# Altium PCB AMS_A2_Sample.PcbDoc (part 1 of 2) (continued)
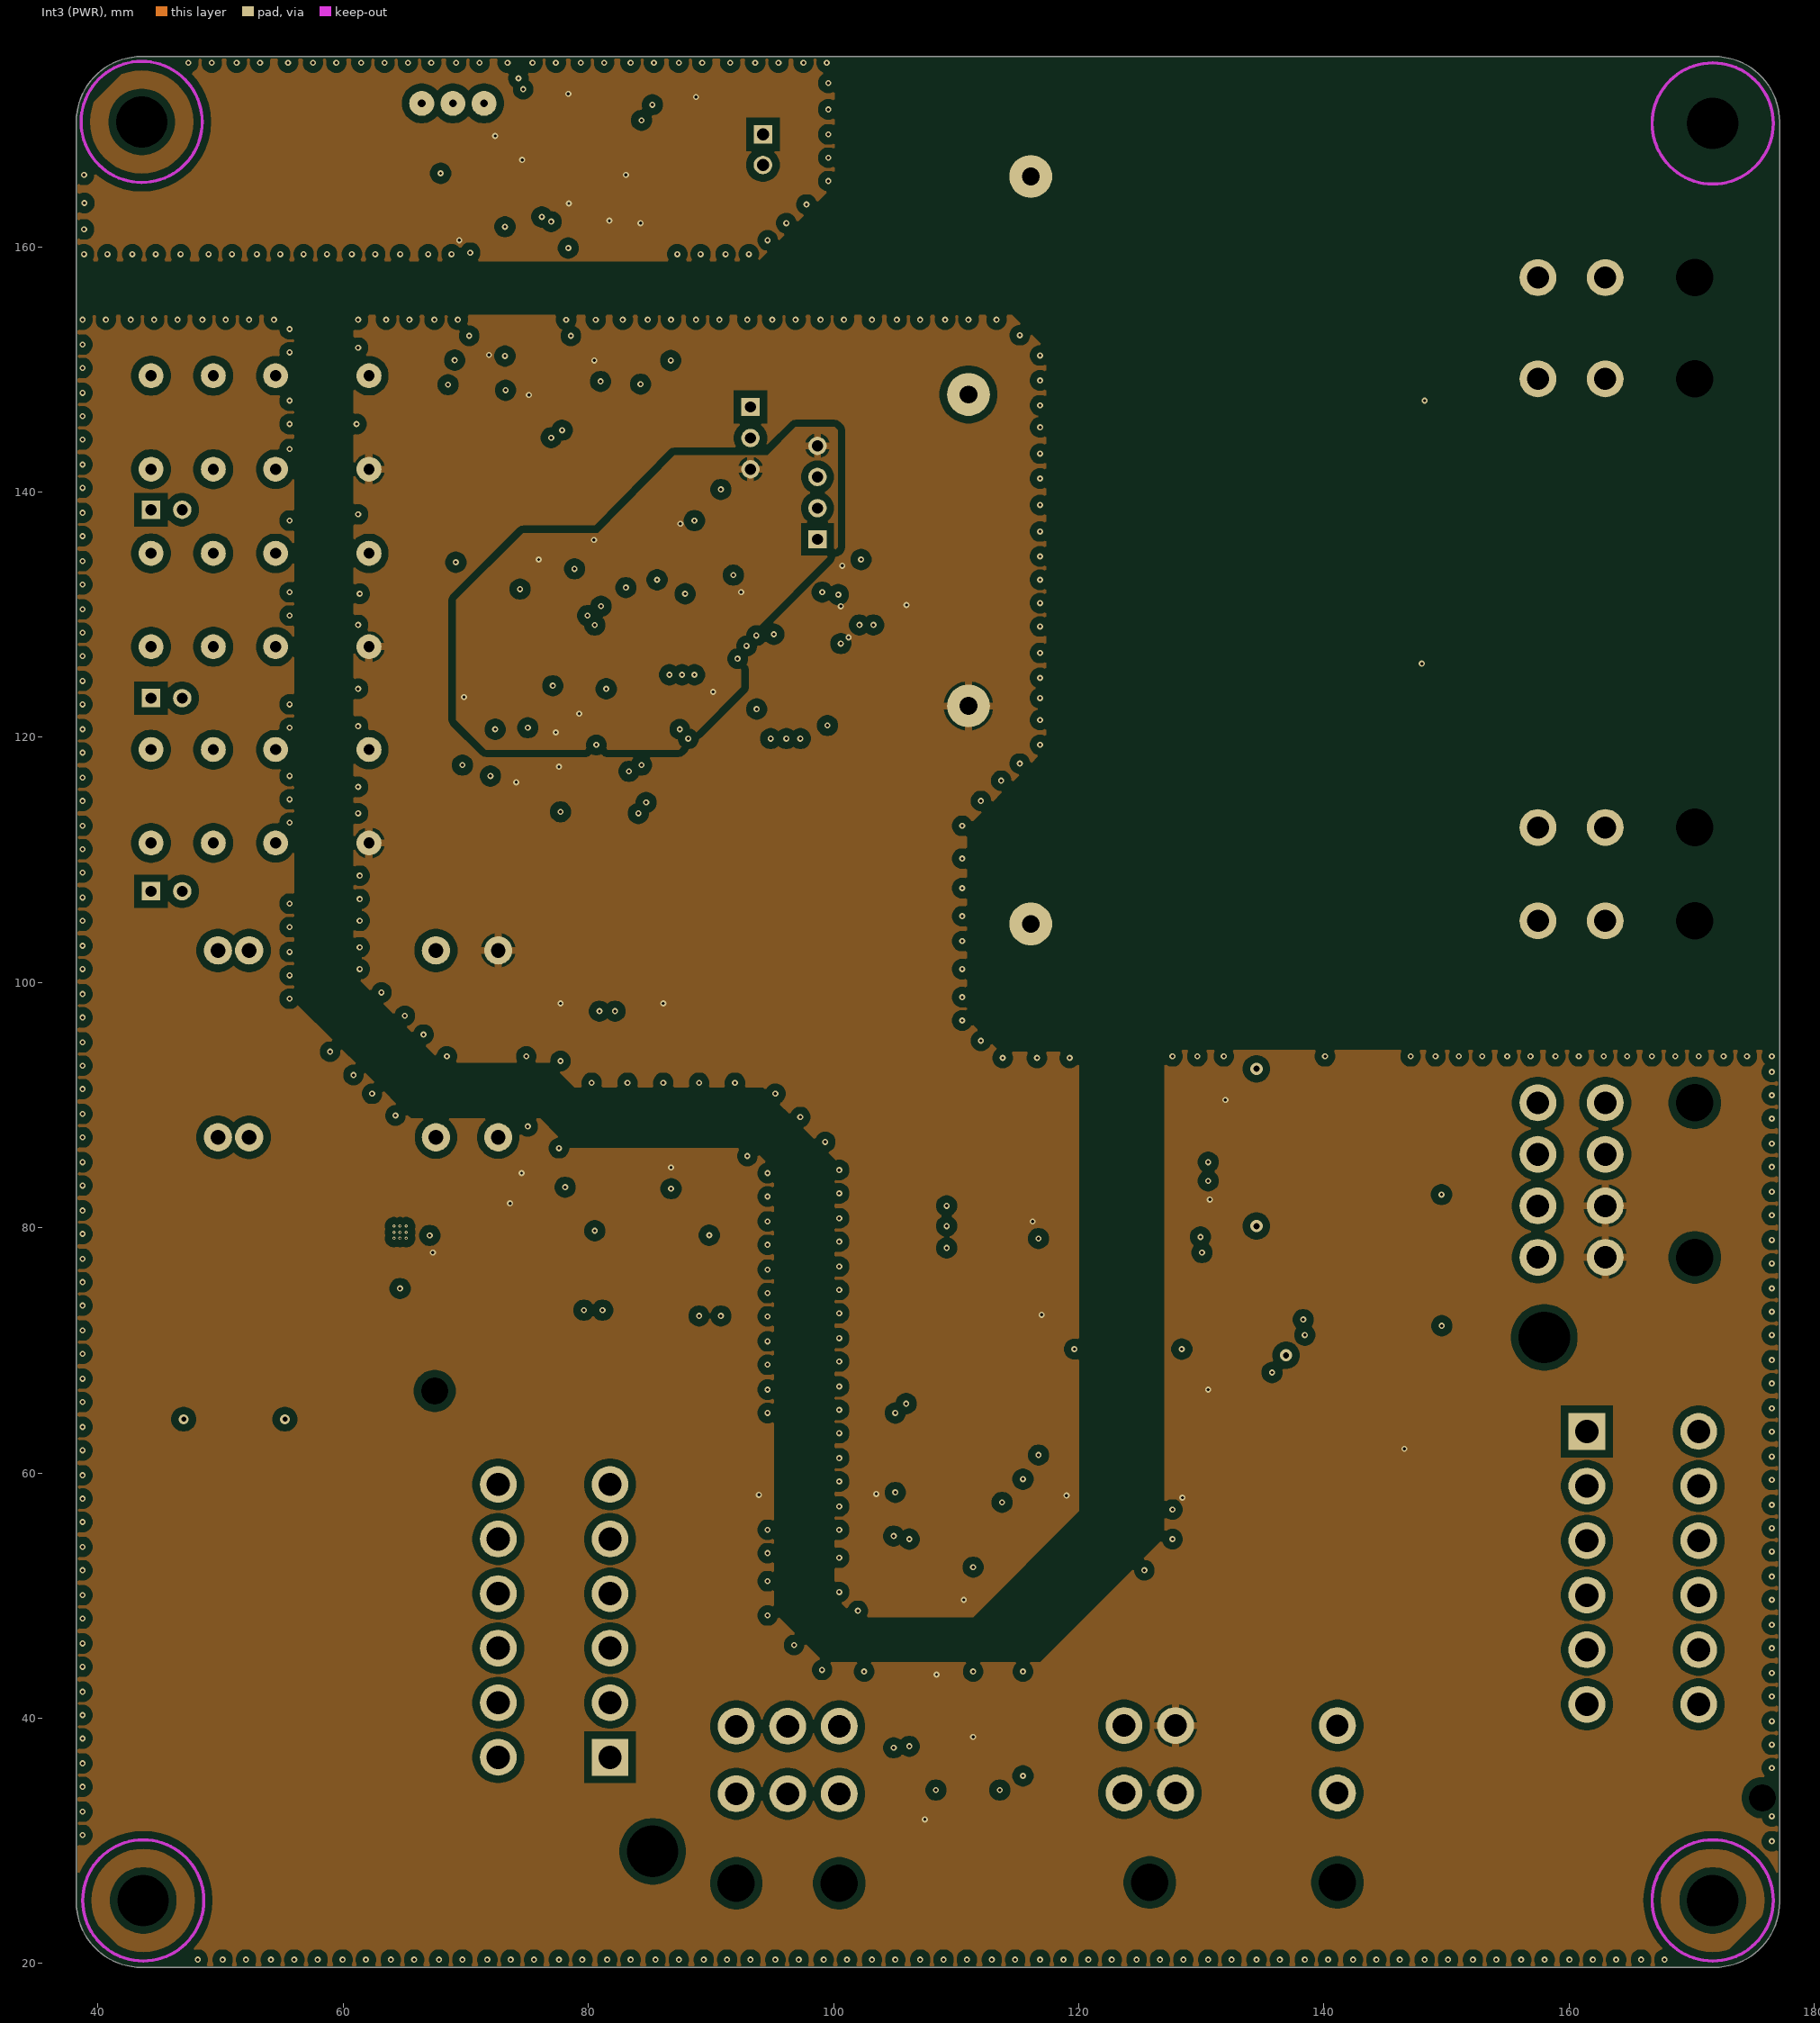
[diagram p4: Int3 (PWR)]
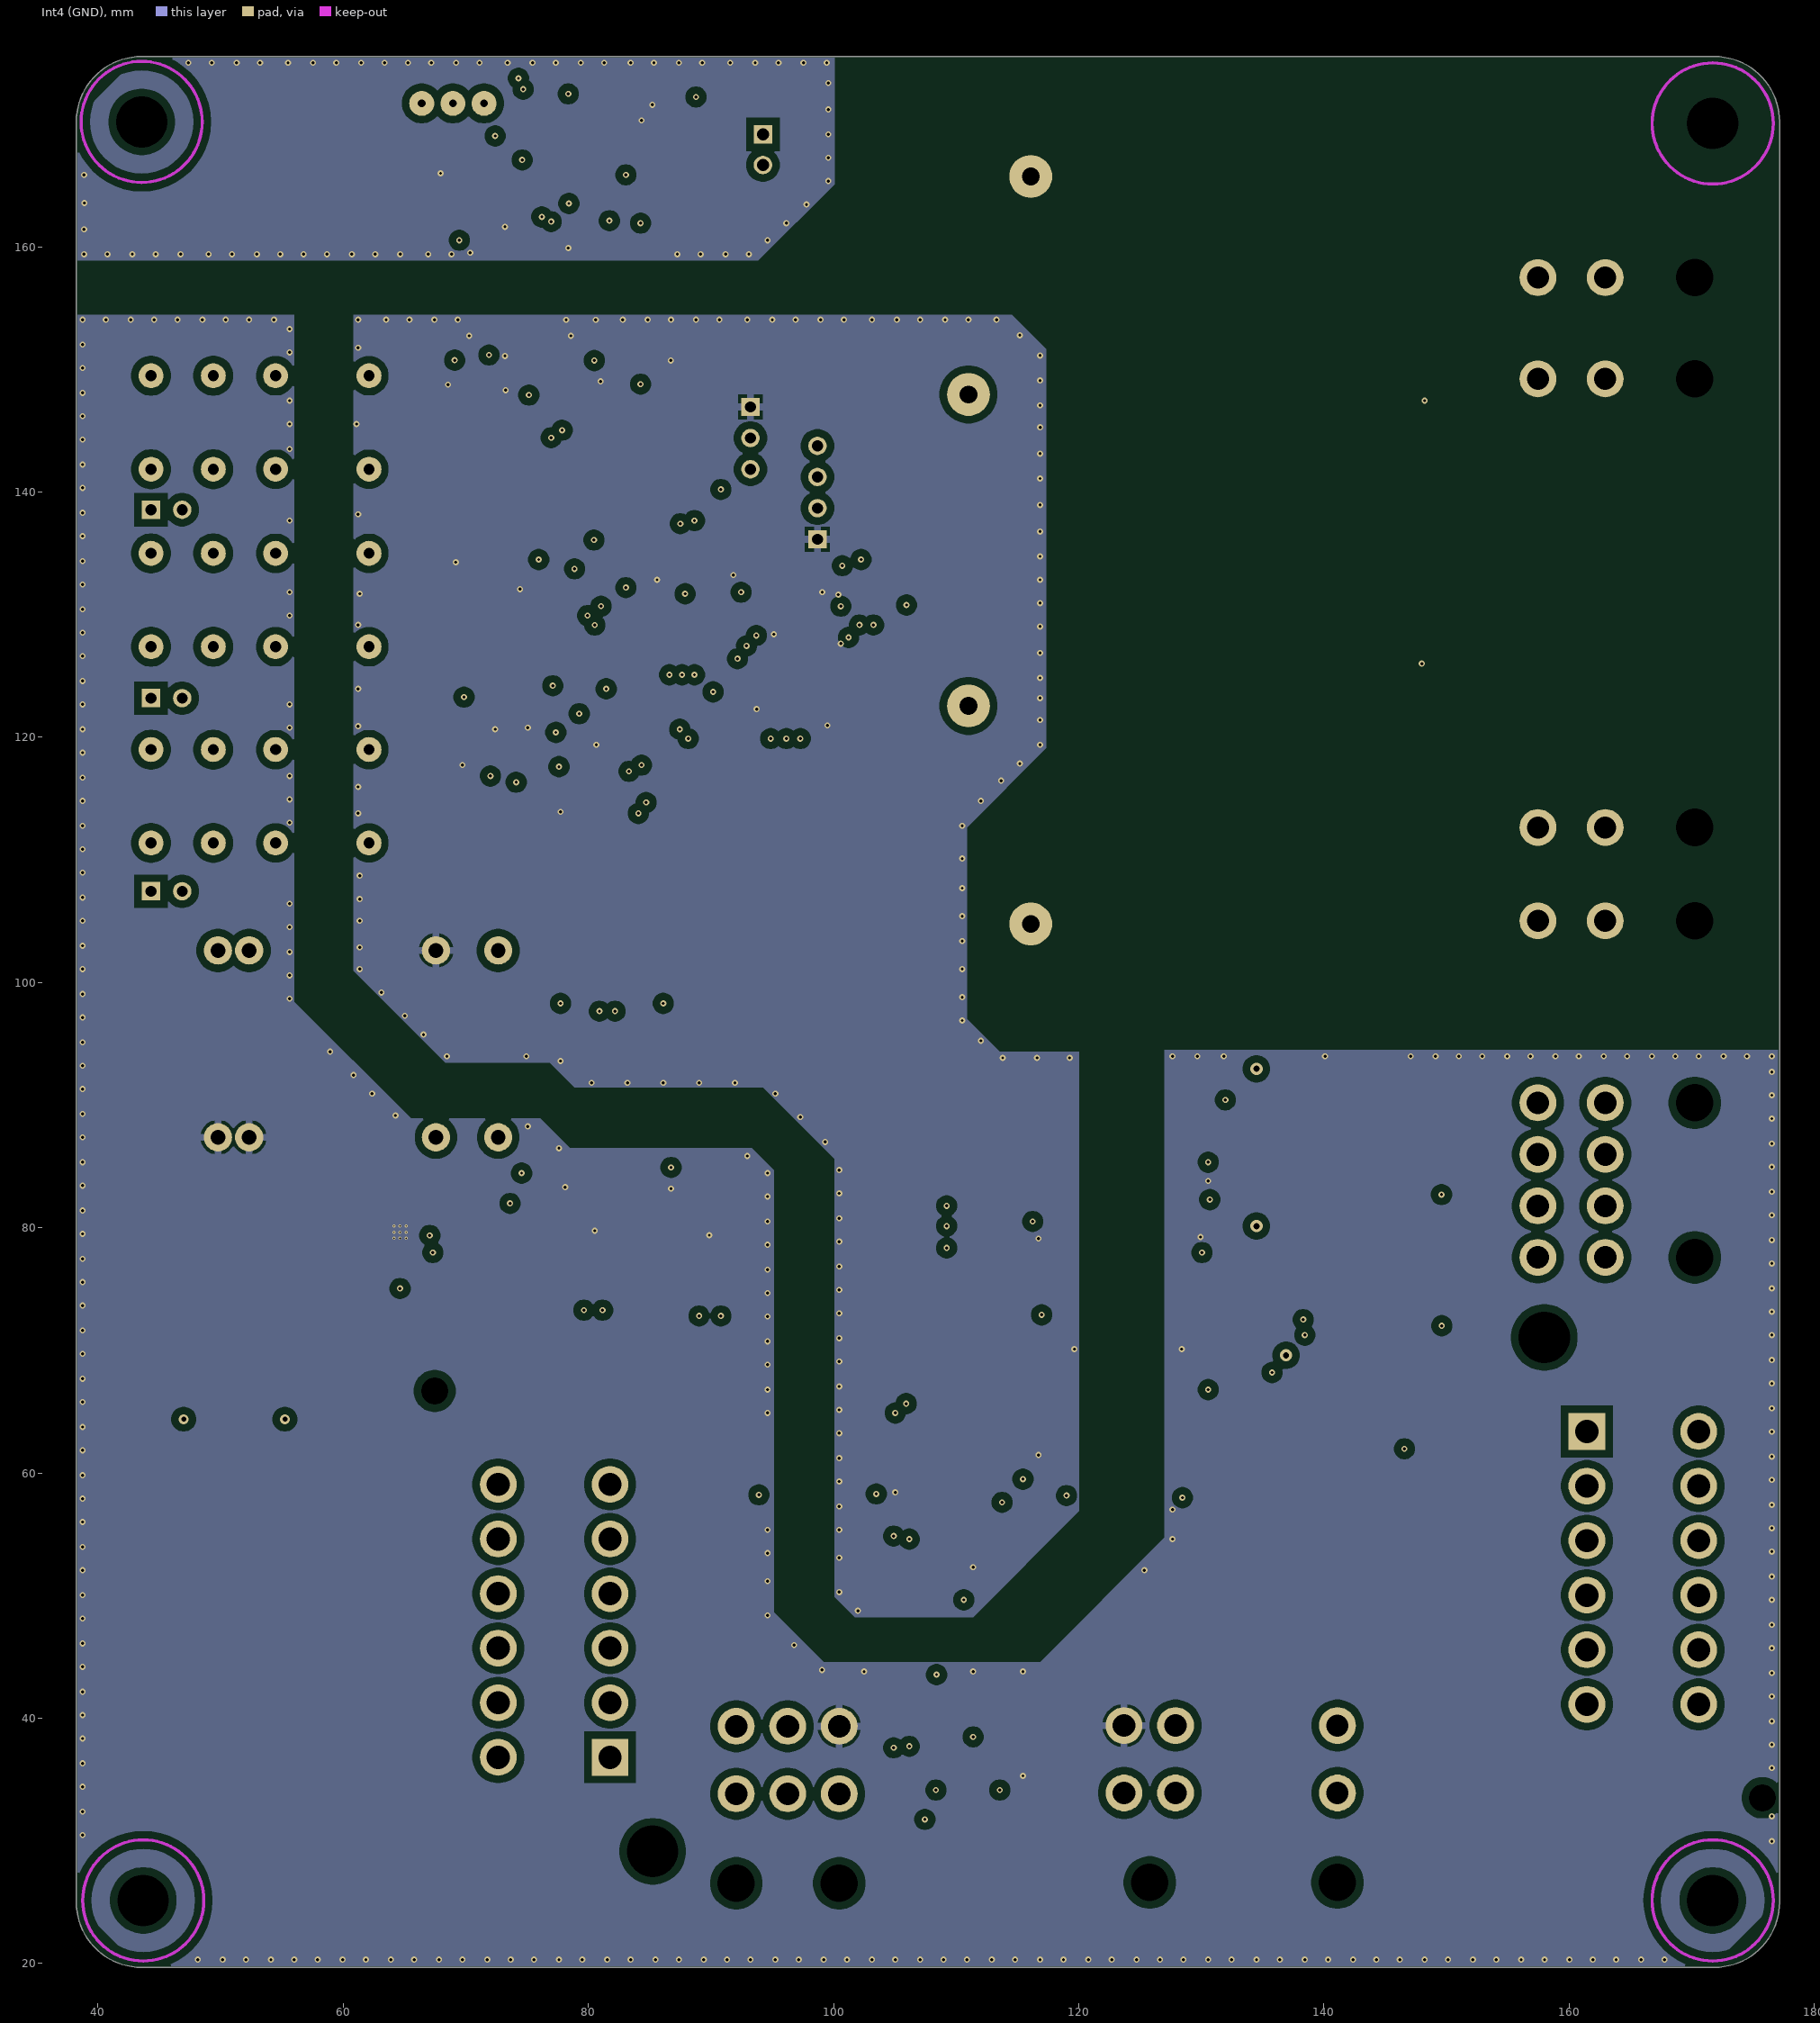
[diagram p5: Int4 (GND)]
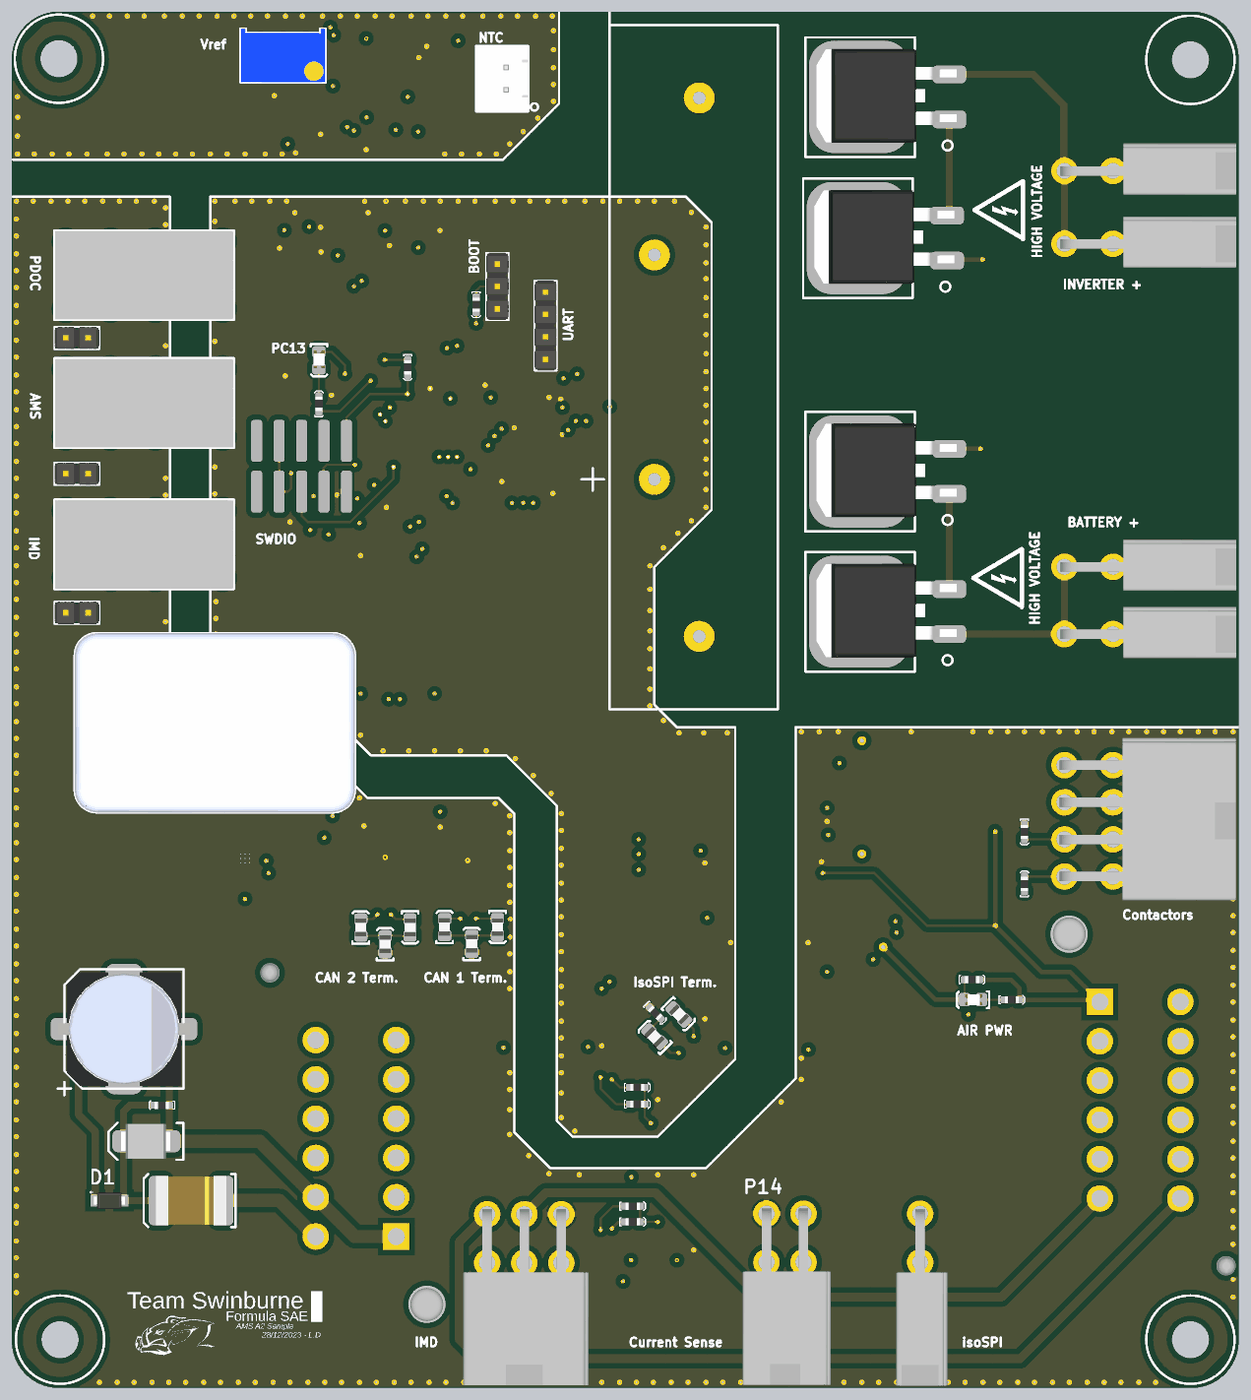
[diagram p7: 3D render of the assembled board from above, using the file's embedded part models]
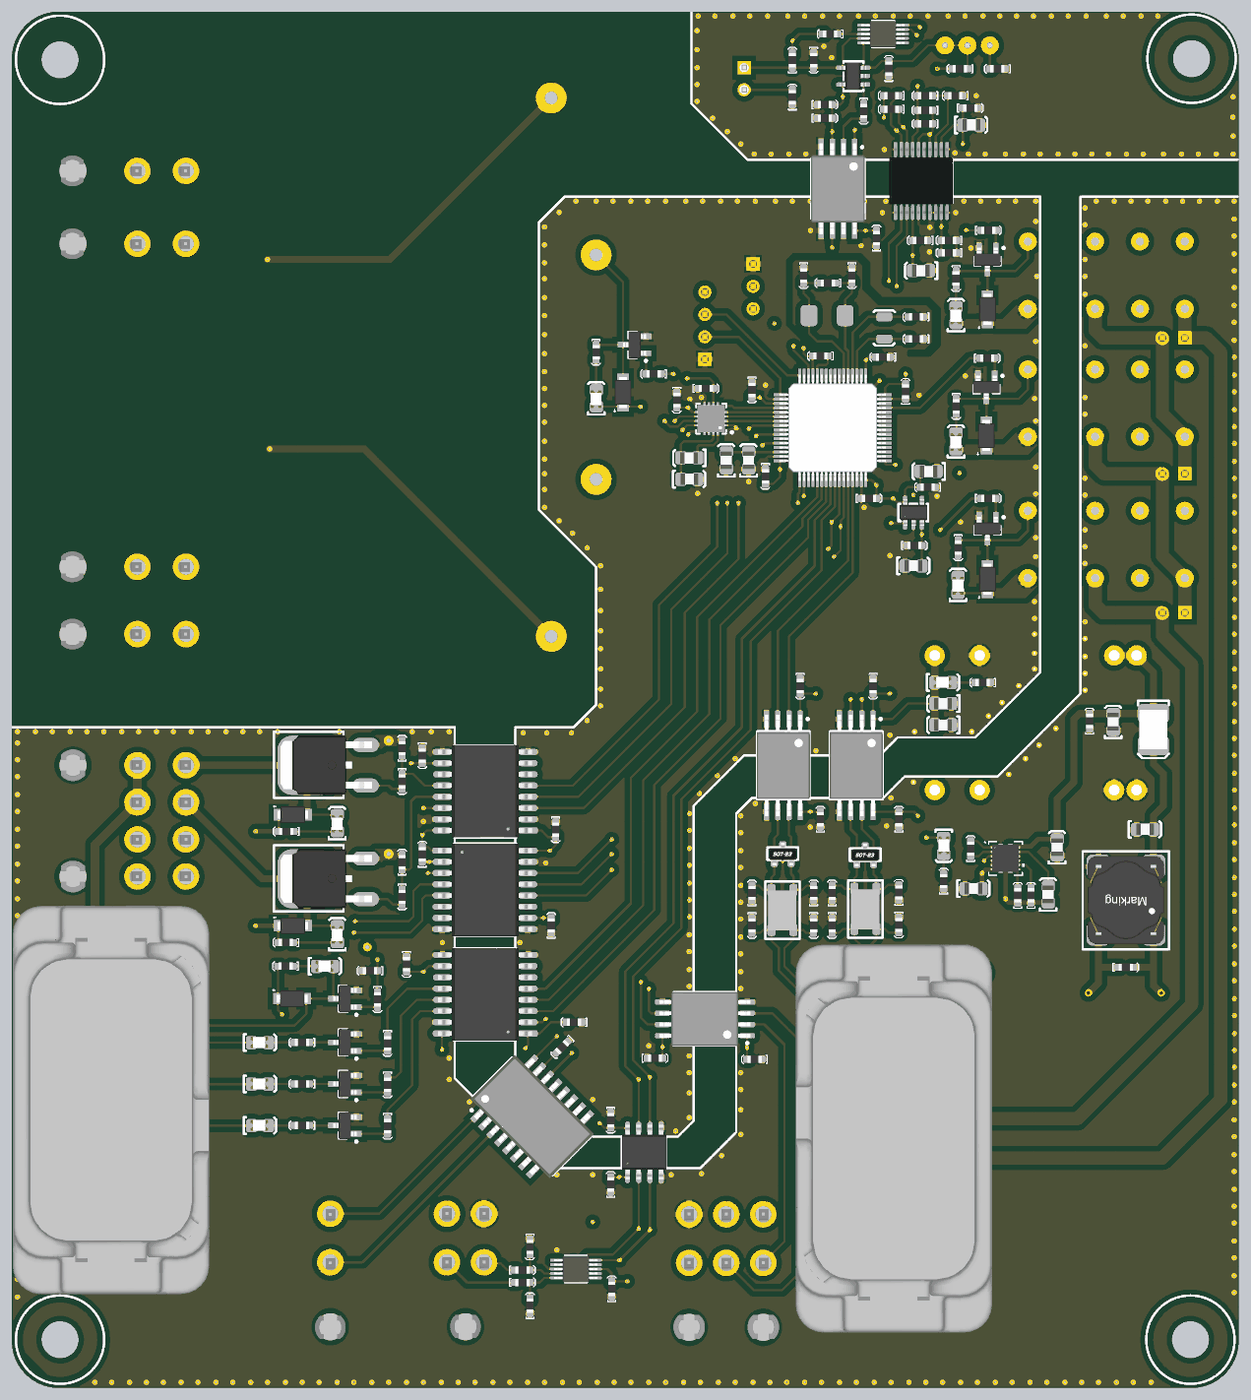
[diagram p8: 3D render of the assembled board from below, using the file's embedded part models]

## Layer stack, top to bottom
Top Solder: solder mask 0.0254, SM-001, Dk 4
Top Layer (GND): signal copper 0.035
Dielectric 1: prepreg 0.0711, PP-006, Dk 4.1
Dielectric 2: prepreg 0.0711, PP-006, Dk 4.1
Int1 (Signal): signal copper 0.035
Dielectric 3: core 0.4572, Core-035, Dk 4.7
Int2 (GND): signal copper 0.035
Dielectric 4: prepreg 0.0711, PP-006, Dk 4.1
Dielectric 5: prepreg 0.0711, PP-006, Dk 4.1
Int3 (PWR): signal copper 0.035
Dielectric 6: core 0.4572, Core-035, Dk 4.7
Int4 (GND): signal copper 0.035
Dielectric 7: prepreg 0.0711, PP-006, Dk 4.1
Dielectric 8: prepreg 0.0711, PP-006, Dk 4.1
Bottom Layer (Signal): signal copper 0.035
Bottom Solder: solder mask 0.0254, SM-001, Dk 4

## Board outline
38.227,25.019 38.227,51.435 38.227,164.084 38.227,170.18 cw(c43.561,170.18) 43.561,175.514 49.657,175.514 112.903,175.514 171.831,175.514 cw(c171.831,170.18) 177.165,170.18 177.165,25.019 cw(c171.831,25.019) 171.831,19.685 43.561,19.685 cw(c43.561,25.019)

## Design rules (kind name [scope] priority, off if disabled: settings)
Clearance [All] p1: gap=0.254 ignorepadtopadclearanceinfootprint=FALSE except(0: Arc-Hole Track-Hole SMDPad-Hole THPad-Hole Via-Hole Fill-Hole Poly-Hole Region-Hole Text-Hole; 0.1: THPad-THPad; 0.15: Arc-SMDPad Track-SMDPad SMDPad-SMDPad; 0.2: Arc-THPad Track-THPad SMDPad-THPad THPad-Via; 0.203: Arc-Arc Arc-Track Arc-Region Track-Track Track-Region SMDPad-Region THPad-Region Via-Region Fill-Region Poly-Region Region-Region; 0.6: Arc-Poly Track-Poly SMDPad-Poly THPad-Poly Via-Poly Fill-Poly Poly-Poly)
Height [All] p1: minheight=0 maxheight=50 prefheight=12.7
HoleSize [All] p1: absolutevalues=TRUE maxlimit=10 minlimit=0.025 maxpercent=80.000 minpercent=20.000
MinimumSolderMaskSliver [All] p1: minsoldermaskwidth=0
PlaneClearance [All] p1: clearance=0.4
PlaneConnect [All] p1: pad.planeconnectstyle=Relief pad.reliefexpansion=0.508 pad.reliefentries=4 pad.reliefconductorwidth=0.8 pad.reliefairgap=0.254 via.planeconnectstyle=Direct via.reliefexpansion=0.508 via.reliefentries=4 via.reliefconductorwidth=0.8 via.reliefairgap=0.254
PolygonConnect [All] p1: thpad.connectstyle=Relief thpad.reliefconductorwidth=0.6 thpad.reliefentries=4 thpad.polygonreliefangle="90 Angle" thpad.airgapwidth=0.254 smdpad.connectstyle=Relief smdpad.reliefconductorwidth=0.6 smdpad.reliefentries=4 smdpad.polygonreliefangle="90 Angle" smdpad.airgapwidth=0.254 via.connectstyle=Direct via.reliefconductorwidth=0.6 via.reliefentries=4 via.polygonreliefangle="90 Angle" via.airgapwidth=0.254
RoutingVias [All] p1: holewidth=0.25 width=0.5 viastyle="Through Hole" minholewidth=0.203 minwidth=0.254 maxholewidth=0.711 maxwidth=1.27
SilkToSilkClearance [All] p1: silktosilkclearance=0
SilkToSolderMaskClearance [IsPad] p1: minsilkscreentomaskgap=0 clearancetoexposedcopper=TRUE
SolderMaskExpansion [All] p1: expansion=0.051 istentingtop=FALSE
Width [All] p1: maxlimit=3 minlimit=0.127 preferedwidth=0.254 minimp=50.000000 maximp=50.000000 favimp=50.000000
23 further rules are at their usual default settings.

## Classes and differential pairs
component class U_Microcontroller: C57 C58 C59 C60 C61 C62 C63 C64 C65 C66 C67 C68 D23 P11 P12 P13 R59 R60 R61 R62 U25 X1 X2
component class "Current Sensor": C52 C53 C54 C55 C56 R53 R54 R55 R56 R57 R58 U23 U24
component class "Charger Interface": C73 C74 D20 D21 D22 Q8 Q9 Q10 R47 R48 R49 R50 R51 R52 U22
component class "Top Level": P1 P2 P3 P4 P5 P6 P7 P8 P9 P14
component class Precharge: C69 C70 C71 C72 D11 D12 D13 D14 D15 D16 D17 D18 D19 Q4 Q5 Q6 Q7 R28 R29 R30 R31 R32 R33 R34 R35 R36 R37 R38 R39 R40 R41 R42 R43 R44 R45 R46 U19 U20 U21
component class Power: C1 C2 C3 C4 C5 C6 C7 C8 C9 C10 C11 C12 C13 C14 C15 C16 C17 D1 D2 D3 D4 F1 L1 R1 R2 R3 U2 U3 U4 U5
component class PDOC: C38 C39 C40 C41 C42 C43 C44 C45 C46 C47 C48 C49 C50 C51 P10 R18 R19 R20 R21 R22 R23 R24 R25 R26 R27 U15 U16 U17 U18
component class isoSPI: C32 C33 C34 C35 R8 R9 R10 R11 U12 U13
component class "Green Loop": C36 C37 D5 D6 D7 D8 D9 D10 "Header 1" "Header 1x2" "Header 2" K1 K2 K3 Q1 Q2 Q3 R12 R13 R14 R15 R16 R17 U14
component class CANBUS: C18 C19 C20 C21 C22 C23 C24 C25 C26 C27 C28 C29 C30 C31 R4 R5 R6 R7 U6 U7 U8 U9 U10 U11

## Components (designator, comment, footprint, x,y, rotation, side; value= is the part's Value field where it differs from the comment)
C1 "22uF" 0805 71.706,94.742 r0 bottom
C2 "1µF" 0805 71.706,97.155 r0 bottom
C3 "10uF" 0805 48.817,82.931 r180 bottom
C4 "10uF" 0805 52.451,95.096 r90 bottom
C5 "100nF" 0603 55.118,94.334 r90 bottom
C6 "100nF" 0603 56.056,51.689 r180 top
C7 "100nF" 0603 51.865,67.31 r180 bottom
C8 "220uF" "Vishay Radial 1213" 50.927,60.325 r180 top
C9 "4.7uF" 0805 58.801,80.907 r90 bottom value=2.2uF
C10 "22uF" 0805 68.248,76.234 r180 bottom
C11 "100nF" 0603 68.58,79.891 r90 bottom
C12 "1µF" 0805 75.045,112.776 r180 bottom
C13 "100nF" 0603 75.807,115.062 r180 bottom
C14 "1µF" 0805 73.357,123.444 r0 bottom
C15 "100nF" 0603 72.595,121.666 r0 bottom
C16 "2.2uF" 0805 59.817,75.573 r90 bottom
C17 "6.8nF" 0603 61.756,74.611 r90 bottom
C18 "100nF" 0603 85.598,83.22 r90 bottom
C19 "100nF" 0603 87.884,99.998 r270 bottom
C20 "22uF" 0805 90.297,69.977 r90 top
C21 "100pF" 0603 86.36,72.898 r270 bottom
C22 "100pF" 0603 93.345,72.898 r270 bottom
C23 "100pF" 0603 93.345,74.871 r90 bottom
C24 "100pF" 0603 86.36,74.871 r90 bottom
C25 "100nF" 0603 76.708,83.22 r90 bottom
C26 "100nF" 0603 79.629,99.998 r270 bottom
C27 "22uF" 0805 80.492,69.928 r90 top
C28 "100pF" 0603 76.708,72.947 r270 bottom
C29 "100pF" 0603 84.269,72.898 r270 bottom
C30 "100pF" 0603 84.269,74.871 r90 bottom
C31 "100pF" 0603 76.708,74.93 r90 bottom
C32 "100nF" 0603 99.42,132.842 r180 bottom
C33 "100nF" 0603 101.854,132.383 r270 bottom
C34 "100nF" 0603 110.49,62.738 r315 top
C35 "10nF" 0603 114.241,58.86 r315 bottom
C36 "100nF" 0603 92.202,56.896 r0 bottom
C37 "100nF" 0603 105.179,57.023 r180 bottom
C38 "100nF" 0603 79.248,149.023 r90 bottom
C39 "100nF" 0603 86.36,170.864 r270 bottom
C40 "100nF" 0603 85.952,163.449 r180 bottom
C41 "100nF" 0603 85.952,164.973 r180 bottom
C42 "100nF" 0603 77.851,168.209 r90 bottom
C43 "100nF" 0603 83.644,172.974 r0 bottom
C44 "100nF" 0603 69.469,164.592 r180 bottom
C45 "10uF" 0805 68.507,162.687 r180 bottom
C46 "10nF" 0603 72.898,162.814 r0 bottom
C47 "100nF" 0603 72.898,164.338 r0 bottom
C48 "100nF" 0603 73.443,149.606 r0 bottom
C49 "10uF" 0805 74.205,146.177 r0 bottom
C50 "100nF" 0603 70.182,148.209 r0 bottom
C51 "10nF" 0603 70.182,149.606 r0 bottom
C52 "100nF" 0603 118.491,36.498 r270 bottom
C53 "100nF" 0603 118.491,28.145 r90 bottom
C54 "100nF" 0603 109.347,50.849 r270 bottom
C55 "100nF" 0603 109.22,30.05 r90 bottom
C56 "100nF" 0603 109.347,41.861 r90 bottom
C57 "100nF" 0603 80.948,120.396 r180 bottom
C58 "100nF" 0603 75.946,131.65 r90 bottom
C59 "100nF" 0603 91.821,123.747 r270 bottom
C60 "100nF" 0603 93.345,133.526 r270 bottom
C61 "100nF" 0603 77.675,136.398 r0 bottom
C62 "100nF" 0603 84.751,136.525 r0 bottom
C63 "2.2uF" 0805 96.266,124.714 r90 bottom
C64 "2.2uF" 0805 93.747,124.714 r90 bottom
C65 "22pF" 0603 73.914,138.45 r0 bottom
C66 "22pF" 0603 73.914,140.95 r0 bottom
C67 "22pF" 0603 82.042,146.48 r270 bottom
C68 "22pF" 0603 87.503,146.48 r270 bottom
C69 "100nF" 0603 115.57,83.742 r270 bottom
C70 "100nF" 0603 130.683,92.124 r270 bottom
C71 "100nF" 0603 116.078,71.198 r90 bottom
C72 "100nF" 0603 130.683,79.248 r90 bottom
C73 "100nF" 0603 112.649,61.087 r0 bottom
C74 "100nF" 0603 132.461,68.502 r270 bottom
D1 "PMEG100T10ELR-QX" "NXP SOD123W" 49.276,40.894 r0 top
D2 "Orange" "0805 LED" 71.682,99.568 r180 bottom
D3 "SM6T36CAY" "ST SMB DIODE" 53.467,47.625 r0 top
D4 "Orange" "0805 LED" 71.615,81.026 r270 bottom
D5 "Green" "0805 LED" 70.022,110.617 r90 bottom
D6 "PMEG100T10ELR-QX" "NXP SOD123W" 66.675,111.252 r90 bottom
D7 "Green" "0805 LED" 70.252,141.17 r90 bottom
D8 "PMEG100T10ELR-QX" "NXP SOD123W" 66.675,141.808 r90 bottom
D9 "Green" "0805 LED" 70.252,126.87 r90 bottom
D10 "PMEG100T10ELR-QX" "NXP SOD123W" 66.802,127.508 r90 bottom
D11 "PMEG100T10ELR-QX" "NXP SOD123W" 145.346,84.582 r180 bottom
D12 "PMEG100T10ELR-QX" "NXP SOD123W" 145.346,72.009 r180 bottom
D13 "PMEG100T10ELR-QX" "NXP SOD123W" 145.415,63.754 r180 bottom
D14 "Red" "0805 LED" 140.335,83.644 r90 bottom
D15 "Red" "0805 LED" 140.319,71.071 r90 bottom
D16 "Red" "0805 LED" 141.684,67.437 r180 bottom
D17 "Green" "0805 LED" 110.998,131.747 r90 bottom
D18 "PMEG100T10ELR-QX" "NXP SOD123W" 107.95,132.385 r90 bottom
D19 "Red" "0805 LED" 147.066,63.627 r180 top
D20 "Yellow" "0805 LED" 149.05,49.403 r180 bottom
D21 "Yellow" "0805 LED" 149.05,54.113 r180 bottom
D22 "Yellow" "0805 LED" 149.05,58.801 r180 bottom
D23 "Red" "0805 LED" 73.025,136.017 r270 top
F1 "0ZCF0100AF2A" 2920 62.164,40.894 r180 top
"Header 1" "2.54mm" "TH 2.54mm Header 1x2" 44.323,107.442 r0 top
"Header 1x2" "2.54mm" "TH 2.54mm Header 1x2" 44.323,123.19 r0 top
"Header 2" "2.54mm" "TH 2.54mm Header 1x2" 44.323,138.557 r0 top
K1 "V23105A5475A201" "TI 2-DIL" 53.213,115.189 r180 top
K2 "V23105A5475A201" "TI 2-DIL" 53.213,145.669 r180 top
K3 "V23105A5475A201" "TI 2-DIL" 53.213,131.191 r180 top
L1 "12uH" 1812 47.879,94.234 r270 bottom
P1 "DTF15-12P" DTF15-12P 63.524,36.82 r90 bottom
P2 "DTF15-12P" DTF15-12P 179.681,63.388 r270 bottom
P3 "39300060" 39300060 100.457,33.843 r0 top
P4 "39300020" 39300020 141.097,33.909 r0 top
P5 "39300080" 39300080 162.941,90.188 r90 top
P6 "39300020" 39300020 162.941,149.225 r90 top
P7 "39300020" 39300020 162.941,112.649 r90 top
P8 "39300020" 39300020 162.941,105.029 r90 top
P9 "39300020" 39300020 162.941,157.48 r90 top
P10 "B2B-XH-A(LF)(SN)" "XH 2 PIN VERT" 94.107,167.914 r270 top
P11 "2.54mm" "TH 2.54mm Header 1x4" 98.679,136.144 r90 top
P12 "2.54mm" "TH 2.54mm Header 1x3" 93.218,146.939 r270 top
P13 "2.54mm" "TH 2.54mm Header 2x5" 71.12,124.206 r180 top
P14 "39300040" 39300040 127.889,33.909 r0 top
Q1 "SQ2308CES-T1_GE3" "VSHY SOT-23-3" 66.675,116.967 r270 bottom
Q2 "SQ2308CES-T1_GE3" "VSHY SOT-23-3" 66.675,147.447 r270 bottom
Q3 "SQ2308CES-T1_GE3" "VSHY SOT-23-3" 66.802,132.969 r270 bottom
Q4 "STD70N10F4" "STM TO-252 MOSFET" 144.096,90.234 r270 bottom
Q5 "STD70N10F4" "STM TO-252 MOSFET" 144.096,77.379 r270 bottom
Q6 "SQ2308CES-T1_GE3" "VSHY SOT-23-3" 139.446,63.754 r0 bottom
Q7 "SQ2308CES-T1_GE3" "VSHY SOT-23-3" 106.65,137.795 r0 bottom
Q8 "SQ2308CES-T1_GE3" "VSHY SOT-23-3" 139.446,49.403 r0 bottom
Q9 "SQ2308CES-T1_GE3" "VSHY SOT-23-3" 139.446,54.102 r0 bottom
Q10 "SQ2308CES-T1_GE3" "VSHY SOT-23-3" 139.446,58.801 r0 bottom
R1 "1.2k" 0603 66.372,99.542 r0 bottom
R2 "15K" 0603 63.246,74.611 r90 bottom
R3 "1.2k" 0603 71.642,76.208 r90 bottom
R4 "56R" 0805 87.223,71.877 r90 top
R5 "56R" 0805 93.244,71.853 r270 top
R6 "56R" 0805 77.724,71.828 r90 top
R7 "56R" 0805 83.338,71.804 r270 top
R8 "680R" 0805 100.457,124.968 r0 bottom
R9 "680R" 0805 100.433,122.581 r180 bottom
R10 "51R" 0805 113.792,61.976 r315 top
R11 "51R" 0805 110.998,59.436 r135 top
R12 "1k" 0603 69.995,115.667 r270 bottom
R13 "680R" 0603 67.437,120.396 r180 bottom
R14 "1k" 0603 70.231,146.147 r270 bottom
R15 "680R" 0603 67.425,150.749 r180 bottom
R16 "1k" 0603 70.226,131.669 r270 bottom
R17 "680R" 0603 67.552,136.271 r180 bottom
R18 "2K" 0603 88.773,169.164 r90 bottom
R19 "1k" 0603 80.696,165.1 r270 bottom
R20 "10k" 0603 88.773,164.973 r90 bottom
R21 "10k" 0603 68.944,169.037 r0 bottom
R22 "10K (Var)" "B 3296" 68.858,171.128 r180 top
R23 "10k" 0603 64.704,169.037 r0 bottom
R24 "5.1k" 0603 76.708,165.989 r0 bottom